# Altium PCB HuaweiInverterMODBUS.PcbDoc
Units mm, origin at the board's own origin, x right, y up, seen from the top; angles counter-clockwise.
Board outline 66 x 48 mm, 4 copper layers (Top Layer, PWR, GND, Bottom Layer), stack 1.586 mm thick; 67 components, 54 nets, 290 pads, 52 vias.
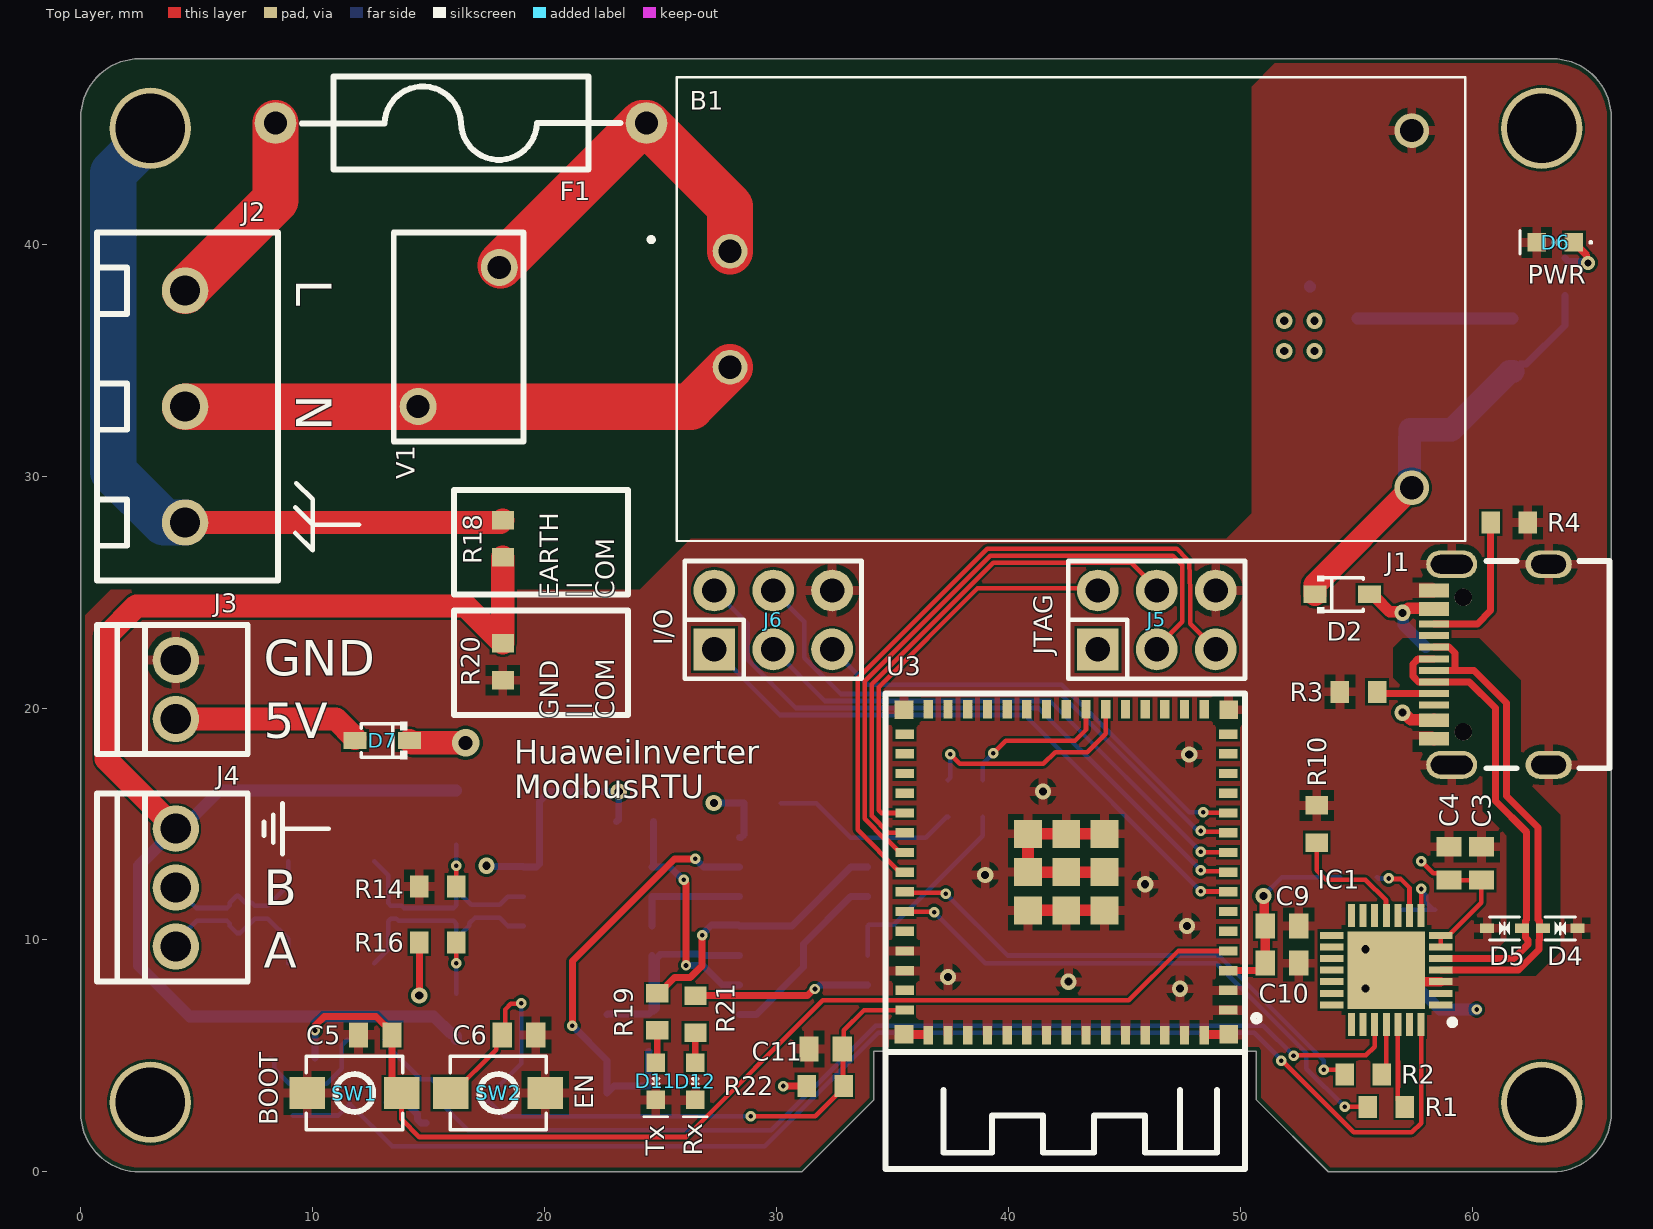
[diagram p0: Top Layer view]
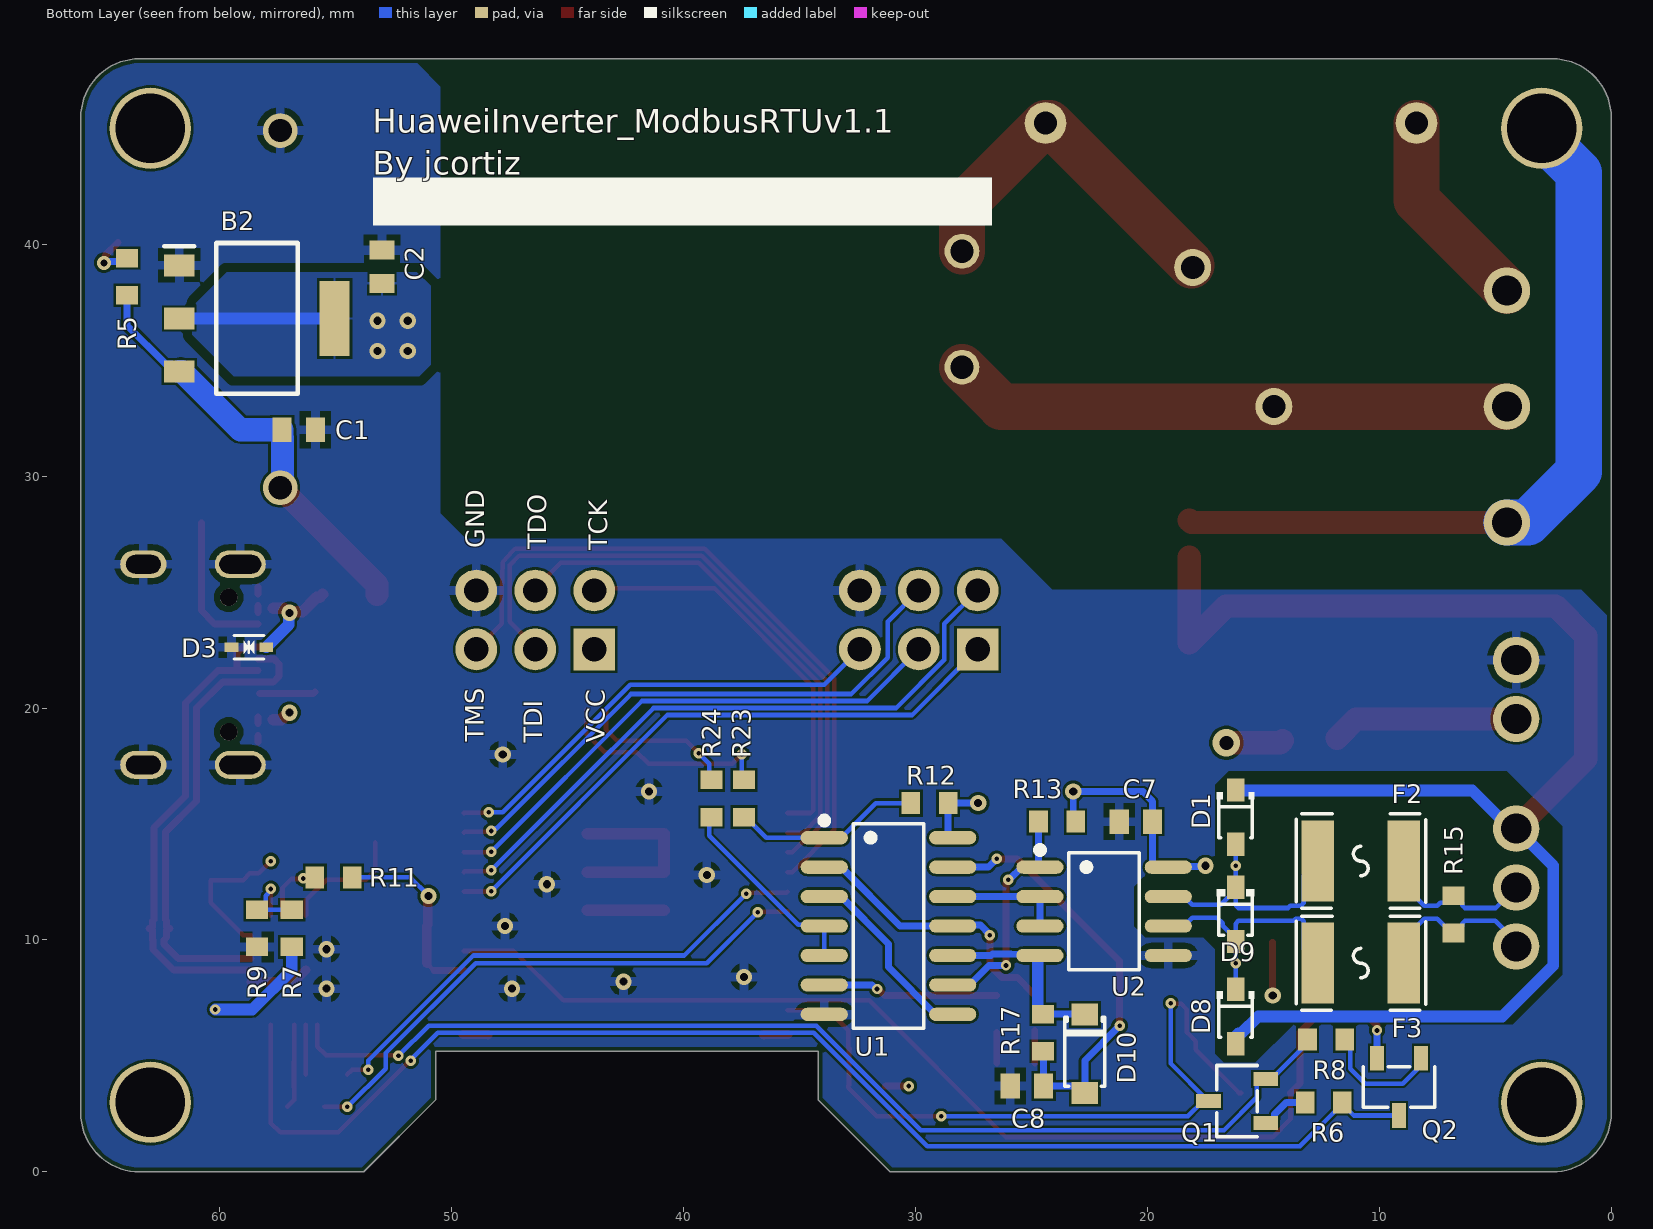
[diagram p1: Bottom Layer view, seen from below]
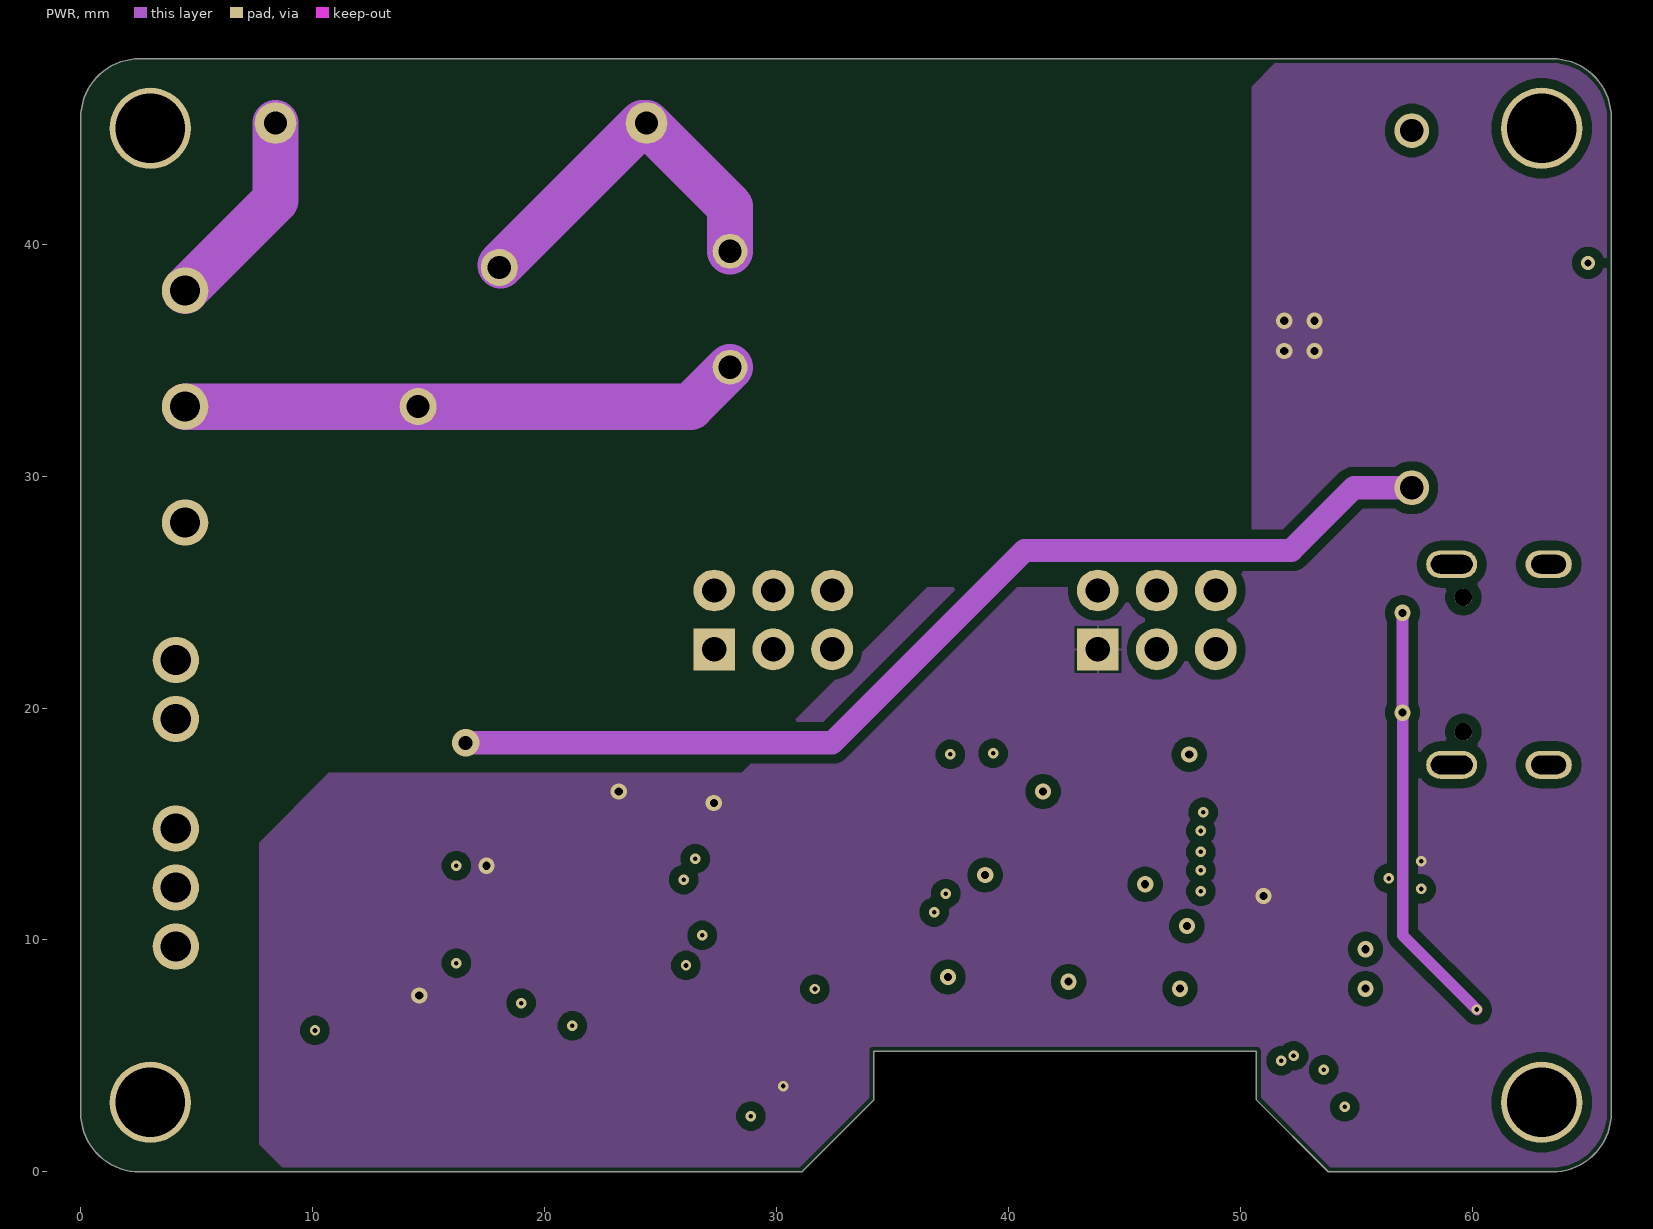
[diagram p2: PWR]
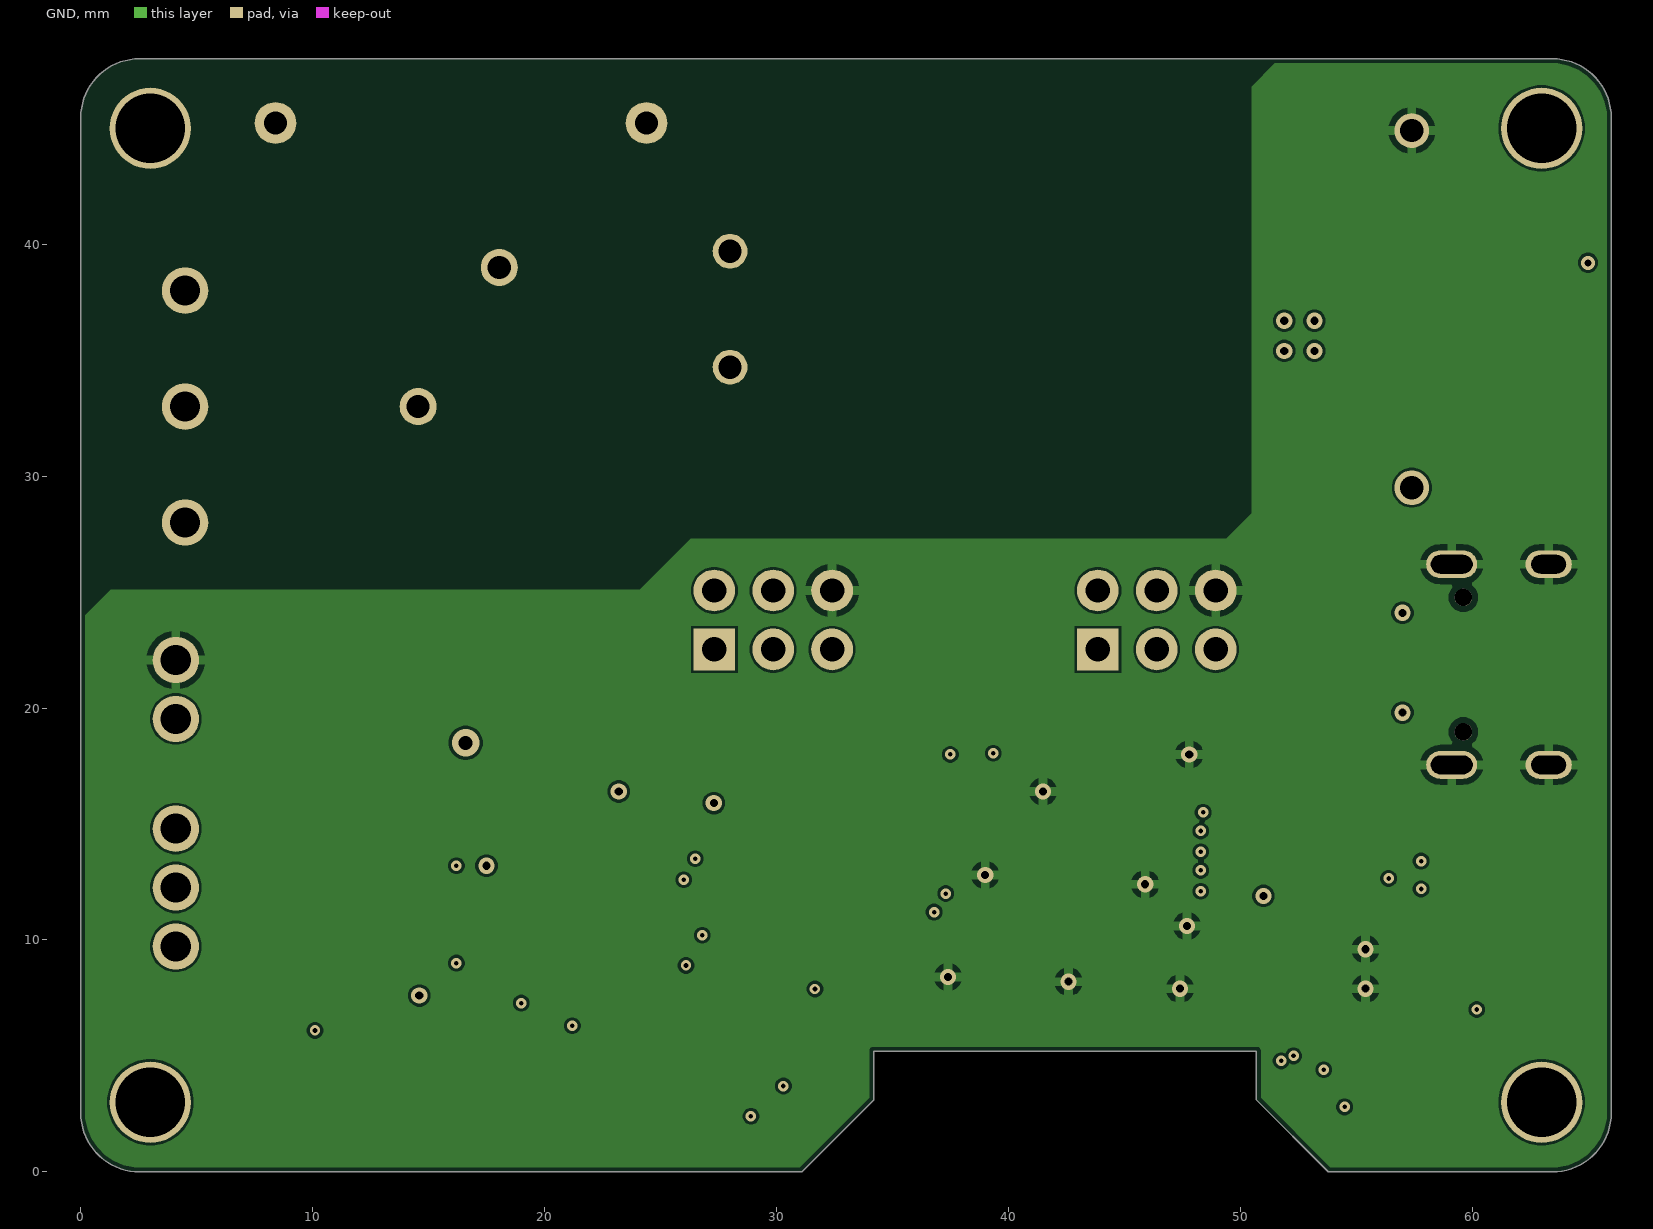
[diagram p3: GND]
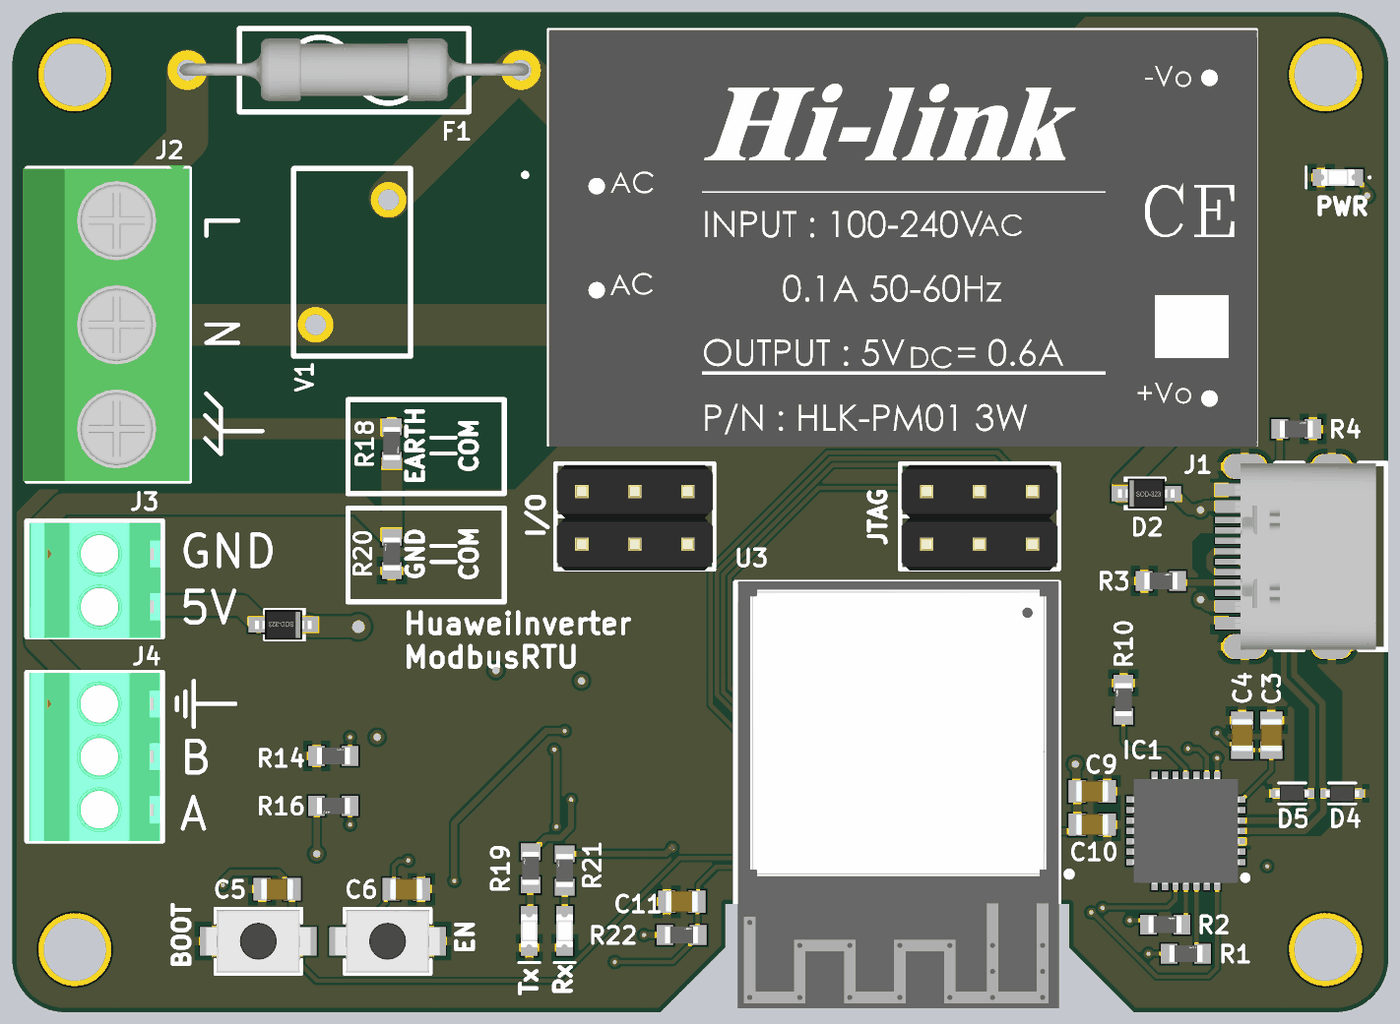
[diagram p4: 3D render of the assembled board from above, using the file's embedded part models]
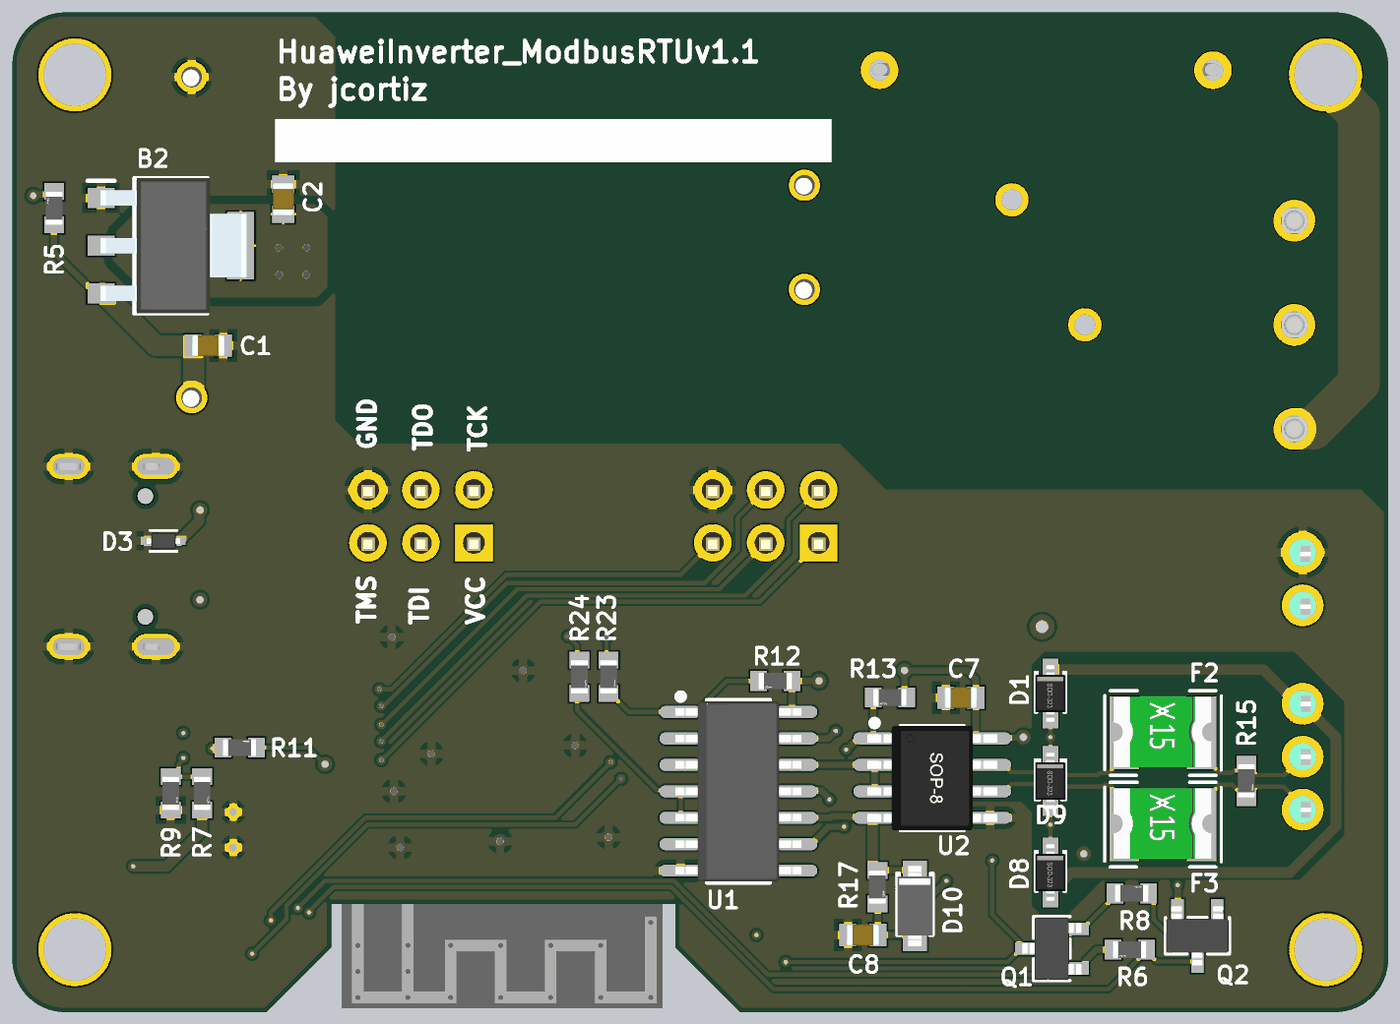
[diagram p5: 3D render of the assembled board from below, using the file's embedded part models]

## Layer stack, top to bottom
Top Solder: solder mask 0.0127, Solder Resist, Dk 3.8
Top Layer: signal copper 0.035
Dielectric 1: prepreg 0.2104, 7628, Dk 4.4
PWR: signal copper 0.0152
Core: core 1.065, FR-4, Dk 4.6
GND: signal copper 0.0152
Dielectric 2: prepreg 0.2104, 7628, Dk 4.4
Bottom Layer: signal copper 0.035
Bottom Solder: solder mask 0.0127, Solder Resist, Dk 3.8

## Board outline
53.8,0 50.7,3.1 50.7,5.2 34.2,5.2 34.2,3.1 31.1,0 2.54,0 cw(c2.54,2.54) 0,2.54 0,45.46 cw(c2.54,45.46) 2.54,48 21.4,48 63.46,48 cw(c63.46,45.46) 66,45.46 66,7.9 66,2.54 cw(c63.46,2.54) 63.46,0

## Design rules (kind name [scope] priority, off if disabled: settings)
BoardOutlineClearance [All] p1: gap=0.2 ignorepadtopadclearanceinfootprint=FALSE
Clearance Clearance_1 [InNamedPolygon('3V3_L02_P002') Or InNamedPolygon('3V3_L04_P003')] p1: gap=0.4 ignorepadtopadclearanceinfootprint=FALSE
Clearance [All] p2: gap=0.102 ignorepadtopadclearanceinfootprint=FALSE except(0.127: Arc-Via Track-Via SMDPad-Via THPad-Via Via-Via Via-Fill Via-Poly Via-Region Via-Text; 0.25: Arc-Hole Track-Hole SMDPad-Hole THPad-Hole Via-Hole Fill-Hole Poly-Hole Region-Hole Text-Hole)
ComponentClearance [All] p1: gap=0.102 collisioncheckmode=3 verticalgap=0.102 showdistances=TRUE
DiffPairsRouting DiffPairsRouting_USB [InDifferentialPair('USB')] p1: maxlimit=0.191 minlimit=0.127 mostfreqgap=0.191 toplayer_mingap=0.191 toplayer_minwidth=0.3 toplayer_maxwidth=0.3 toplayer_prefwidth=0.3 midlayer1_maxgap=0.127 midlayer1_prefgap=0.127 midlayer1_minwidth=0.154 midlayer1_maxwidth=0.154 midlayer1_prefwidth=0.154 midlayer2_maxgap=0.127 midlayer2_prefgap=0.127 midlayer2_minwidth=0.154 midlayer2_maxwidth=0.154 midlayer2_prefwidth=0.154 bottomlayer_mingap=0.191 bottomlayer_minwidth=0.3 bottomlayer_maxwidth=0.3 bottomlayer_prefwidth=0.3 impedanceprofiledriven=TRUE impedanceprofileid={2BBAF444-FC41-4FE4-A95A-6E55578872B7} impedanceprofilevalue=90.000000 maxuncoupledlength=12.7
DiffPairsRouting DiffPairsRouting_RS485 [InDifferentialPair('RS485')      + InDifferentialPair('RS485F')] p2: maxlimit=0.357 minlimit=0.127 mostfreqgap=0.357 toplayer_mingap=0.357 toplayer_minwidth=0.2 toplayer_maxwidth=0.2 toplayer_prefwidth=0.2 midlayer1_maxgap=0.127 midlayer1_prefgap=0.127 midlayer1_minwidth=0.057 midlayer1_maxwidth=0.057 midlayer1_prefwidth=0.057 midlayer2_maxgap=0.127 midlayer2_prefgap=0.127 midlayer2_minwidth=0.057 midlayer2_maxwidth=0.057 midlayer2_prefwidth=0.057 bottomlayer_mingap=0.357 bottomlayer_minwidth=0.2 bottomlayer_maxwidth=0.2 bottomlayer_prefwidth=0.2 impedanceprofiledriven=TRUE impedanceprofileid={93E1BA7E-7787-4BF4-9EDB-EAAE9722D2A8} impedanceprofilevalue=120.000000 maxuncoupledlength=12.7
Height [All] p1: minheight=0 maxheight=1816.048 prefheight=12.7
HoleSize [All] p1: absolutevalues=TRUE maxlimit=6.3 minlimit=0.2 maxpercent=80.000 minpercent=20.000
HoleToHoleClearance [All] p1: gap=0.25 allowstackedmicrovias=FALSE
MinimumAnnularRing [All] p1: minimumring=0.076
MinimumSolderMaskSliver [All] p1: minsoldermaskwidth=0
PlaneClearance [All] p1: clearance=0.102
PlaneConnect PlaneConnectPowerPads [InPadClass('PowerPads')] p1: planeconnectstyle=Direct reliefexpansion=0.508 reliefentries=4 reliefconductorwidth=0.254 reliefairgap=0.254
PlaneConnect [All] p2: pad.planeconnectstyle=Relief pad.reliefexpansion=0.3 pad.reliefentries=4 pad.reliefconductorwidth=0.102 pad.reliefairgap=0.102 via.planeconnectstyle=Direct via.reliefexpansion=0.3 via.reliefentries=4 via.reliefconductorwidth=0.127 via.reliefairgap=0.127
PolygonConnect PolygonConnectGndPads [All vs IsNamedPolygon('GND_L01_P004')+  IsNamedPolygon('GND_L02_P002')+ IsNamedPolygon('GND_L03_P001')+    IsNamedPolygon('GND_L04_P005')] p1: connectstyle=Relief reliefconductorwidth=0.4 reliefentries=4 polygonreliefangle="90 Angle" airgapwidth=0.254
PolygonConnect PolygonConnectPowerPads [All vs (InPadClass('PowerPads'))] p2: connectstyle=Direct reliefconductorwidth=0.254 reliefentries=4 polygonreliefangle="90 Angle" airgapwidth=0.254
PolygonConnect [All] p3: thpad.connectstyle=Relief thpad.reliefconductorwidth=0.102 thpad.reliefentries=4 thpad.polygonreliefangle="90 Angle" thpad.airgapwidth=0.102 smdpad.connectstyle=Relief smdpad.reliefconductorwidth=0.102 smdpad.reliefentries=4 smdpad.polygonreliefangle="90 Angle" smdpad.airgapwidth=0.102 via.connectstyle=Direct via.reliefconductorwidth=0.127 via.reliefentries=4 via.polygonreliefangle="90 Angle" via.airgapwidth=0.127
RoutingVias [All] p1: holewidth=0.2 width=0.45 viastyle="Through Hole" minholewidth=0.2 minwidth=0.45 maxholewidth=6.3 maxwidth=6.55
SilkToSilkClearance [All] p1: silktosilkclearance=0
SilkToSolderMaskClearance [IsPad] p1: minsilkscreentomaskgap=0.102 clearancetoexposedcopper=TRUE
SolderMaskExpansion [All] p1: expansion=0.075 istentingtop=FALSE
Width [All] p1: maxlimit=1816.048 minlimit=0.102 preferedwidth=0.102
20 further rules are at their usual default settings.

## Classes and differential pairs
component class Sheet2: B1 B2 C1 C2 C7 C8 D1 D6 D7 D8 D9 D10 D11 D12 F1 F2 F3 J2 J3 J4 R5 R12 R13 R14 R15 R16 R17 R18 R19 R20 R21 U1 U2 V1
component class Sheet1: C3 C4 C5 C6 C9 C10 C11 D2 D3 D4 D5 IC1 J1 J5 J6 Q1 Q2 R1 R2 R3 R4 R6 R7 R8 R9 R10 R11 R22 R23 R24 SW1 SW2 U3
differential pair RS485F: +RS485F_P -RS485F_N
differential pair USB: +USB_P -USB_N
differential pair RS485: +RS485_P -RS485_N

## Components (designator, comment, footprint, x,y, rotation, side; value= is the part's Value field where it differs from the comment)
B1 "HLK-PM01" HLKPM01 28,39.7 r0 top
B2 "AMS1117-3.3" SOT229P700X180-4N 58.4,36.8 r180 bottom
C1 "CL10A226MP8NUNE" CAP0608N 56.6,32 r0 bottom value=22uF
C2 "CL10A226MP8NUNE" CAP0608N 53.005,39.031 r270 bottom value=22uF
C3 "CAP_0603_0.1UF_20%_50V_X5R" CAP0608N 60.4,13.3 r270 top value=0.1uF
C4 "CAP_0603_4.7UF_20%_10V_X5R" CAP0608N 59,13.3 r270 top value=4.7uF
C5 "CAP_0603_0.1UF_20%_50V_X5R" CAP0608N 12.7,5.9 r0 top value=0.1uF
C6 "CAP_0603_0.1UF_20%_50V_X5R" CAP0608N 18.9,5.9 r180 top value=0.1uF
C7 "CAP_0603_0.1UF_20%_50V_X5R" CAP0608N 20.5,15.1 r180 bottom value=0.1uF
C8 "CAP_0603_100pF_5%_50V_C0G" CAP0608N 25.2,3.7 r0 bottom value=100pF
C9 "CAP_0603_0.1UF_20%_50V_X5R" CAP0608N 51.8,10.6 r180 top value=0.1uF
C10 "CAP0603_22UF_20%_10V_X5R" CAP0608N 51.8,9 r180 top value=22uF
C11 "CAP_0603_0.1UF_20%_50V_X5R" CAP0608N 32.12,5.3 r180 top value=0.1uF
D1 "CDSOD323-T05SC" SOD-323_L1.8-W1.3-LS2.5-RD 16.2,15.3 r270 bottom
D2 "BAT760-7" SOD-323_L1.8-W1.3-LS2.5-RD 54.4,24.9 r0 top
D3 "LESD5D5.0CT1G" SOD-523_L1.2-W0.8-LS1.6-BI 58.751,22.625 r180 bottom
D4 "LESD5D5.0CT1G" SOD-523_L1.2-W0.8-LS1.6-BI 63.8,10.5 r0 top
D5 "LESD5D5.0CT1G" SOD-523_L1.2-W0.8-LS1.6-BI 61.4,10.5 r180 top
D6 "0603_LED_GREEN_1.8V" LED0603 63.59,40.079 r180 top
D7 "BAT760-7" SOD-323_L1.8-W1.3-LS2.5-RD 13,18.6 r180 top
D8 "CDSOD323-T05SC" SOD-323_L1.8-W1.3-LS2.5-RD 16.2,11.1 r270 bottom
D9 "CDSOD323-T05SC" SOD-323_L1.8-W1.3-LS2.5-RD 16.2,6.7 r270 bottom
D10 "1N4148W T4" SOD-123_L2.8-W1.8-LS3.7-RD 22.7,5.093 r270 bottom
D11 "0603_LED_RED_1.9V" LED0603 24.8,3.9 r270 top
D12 "0603_LED_GREEN_1.8V" LED0603 26.5,3.9 r270 top
F1 "FUSE_TH_1A_GLASS" FUSE_TH_3x10 16.4,45.1 r0 top value=1A
F2 "MF-MSMF010-2" F1812 10.8,13.4 r180 bottom
F3 "MF-MSMF010-2" F1812 10.8,9 r180 bottom
IC1 "CP2102N-A02-GQFN28" QFN50P500X500X80-29N-D 56.3,8.7 r180 top
J1 "USB-C" USBC_SMD_TH 59.12,17.55 r90 top
J2 "WJ126V-5.0-3P" CONN-TH_3P-P5.00_WJ126V-5.0-3P 4.5,33 r90 top
J3 "XY308-2.54-2P" CONN-TH_XY308-2.54-2P 4.1,20.8 r90 top
J4 "XY308-2.54-3P" CONN-TH_XY308-2.54-3P 4.1,12.26 r90 top
J5 "Header-Male-2.54_2x3" HDR-TH_6P-P2.54-V-M-R2-C3-S2.54-1 46.4,23.8 r0 top
J6 "Header-Male-2.54_2x3" HDR-TH_6P-P2.54-V-M-R2-C3-S2.54-1 29.86,23.8 r0 top
Q1 "SS8050-G" SOT-23-3_L2.9-W1.6-P1.90-LS2.8-BR 16.135,3.05 r180 bottom
Q2 "SS8050-G" SOT-23-3_L2.9-W1.6-P1.90-LS2.8-BR 9.15,3.665 r90 bottom
R1 "RES_0603_22OHM_0.1W" RES0603N 56.3,2.8 r180 top value=22Ω
R2 "RES_0603_22OHM_0.1W" RES0603N 55.3,4.2 r180 top value=22Ω
R3 "RES_0603_5.1KOHM_0.1W" RES0603N 55.1,20.7 r180 top value=5.1kΩ
R4 "RES_0603_5.1KOHM_0.1W" RES0603N 61.6,28 r180 top value=5.1kΩ
R5 "RES_0603_1KOHM_0.1W" RES0603N 64,38.6 r270 bottom value=1kΩ
R6 "RES_0603_10KOHM_0.1W" RES0603N 12.4,3 r180 bottom value=10kΩ
R7 "RES_0603_22.1KOHM_0.1W" RES0603N 56.9,10.5 r90 bottom value=22.1kΩ
R8 "RES_0603_10KOHM_0.1W" RES0603N 12.3,5.7 r0 bottom value=10kΩ
R9 "RES_0603_47.5KOHM_0.1W" RES0603N 58.4,10.5 r90 bottom value=47.5kΩ
R10 "RES_0603_10KOHM_0.1W" RES0603N 53.3,15 r270 top value=10kΩ